# Altium PCB 全兼容主控.PCBDOC (part 3 of 9) (continued)
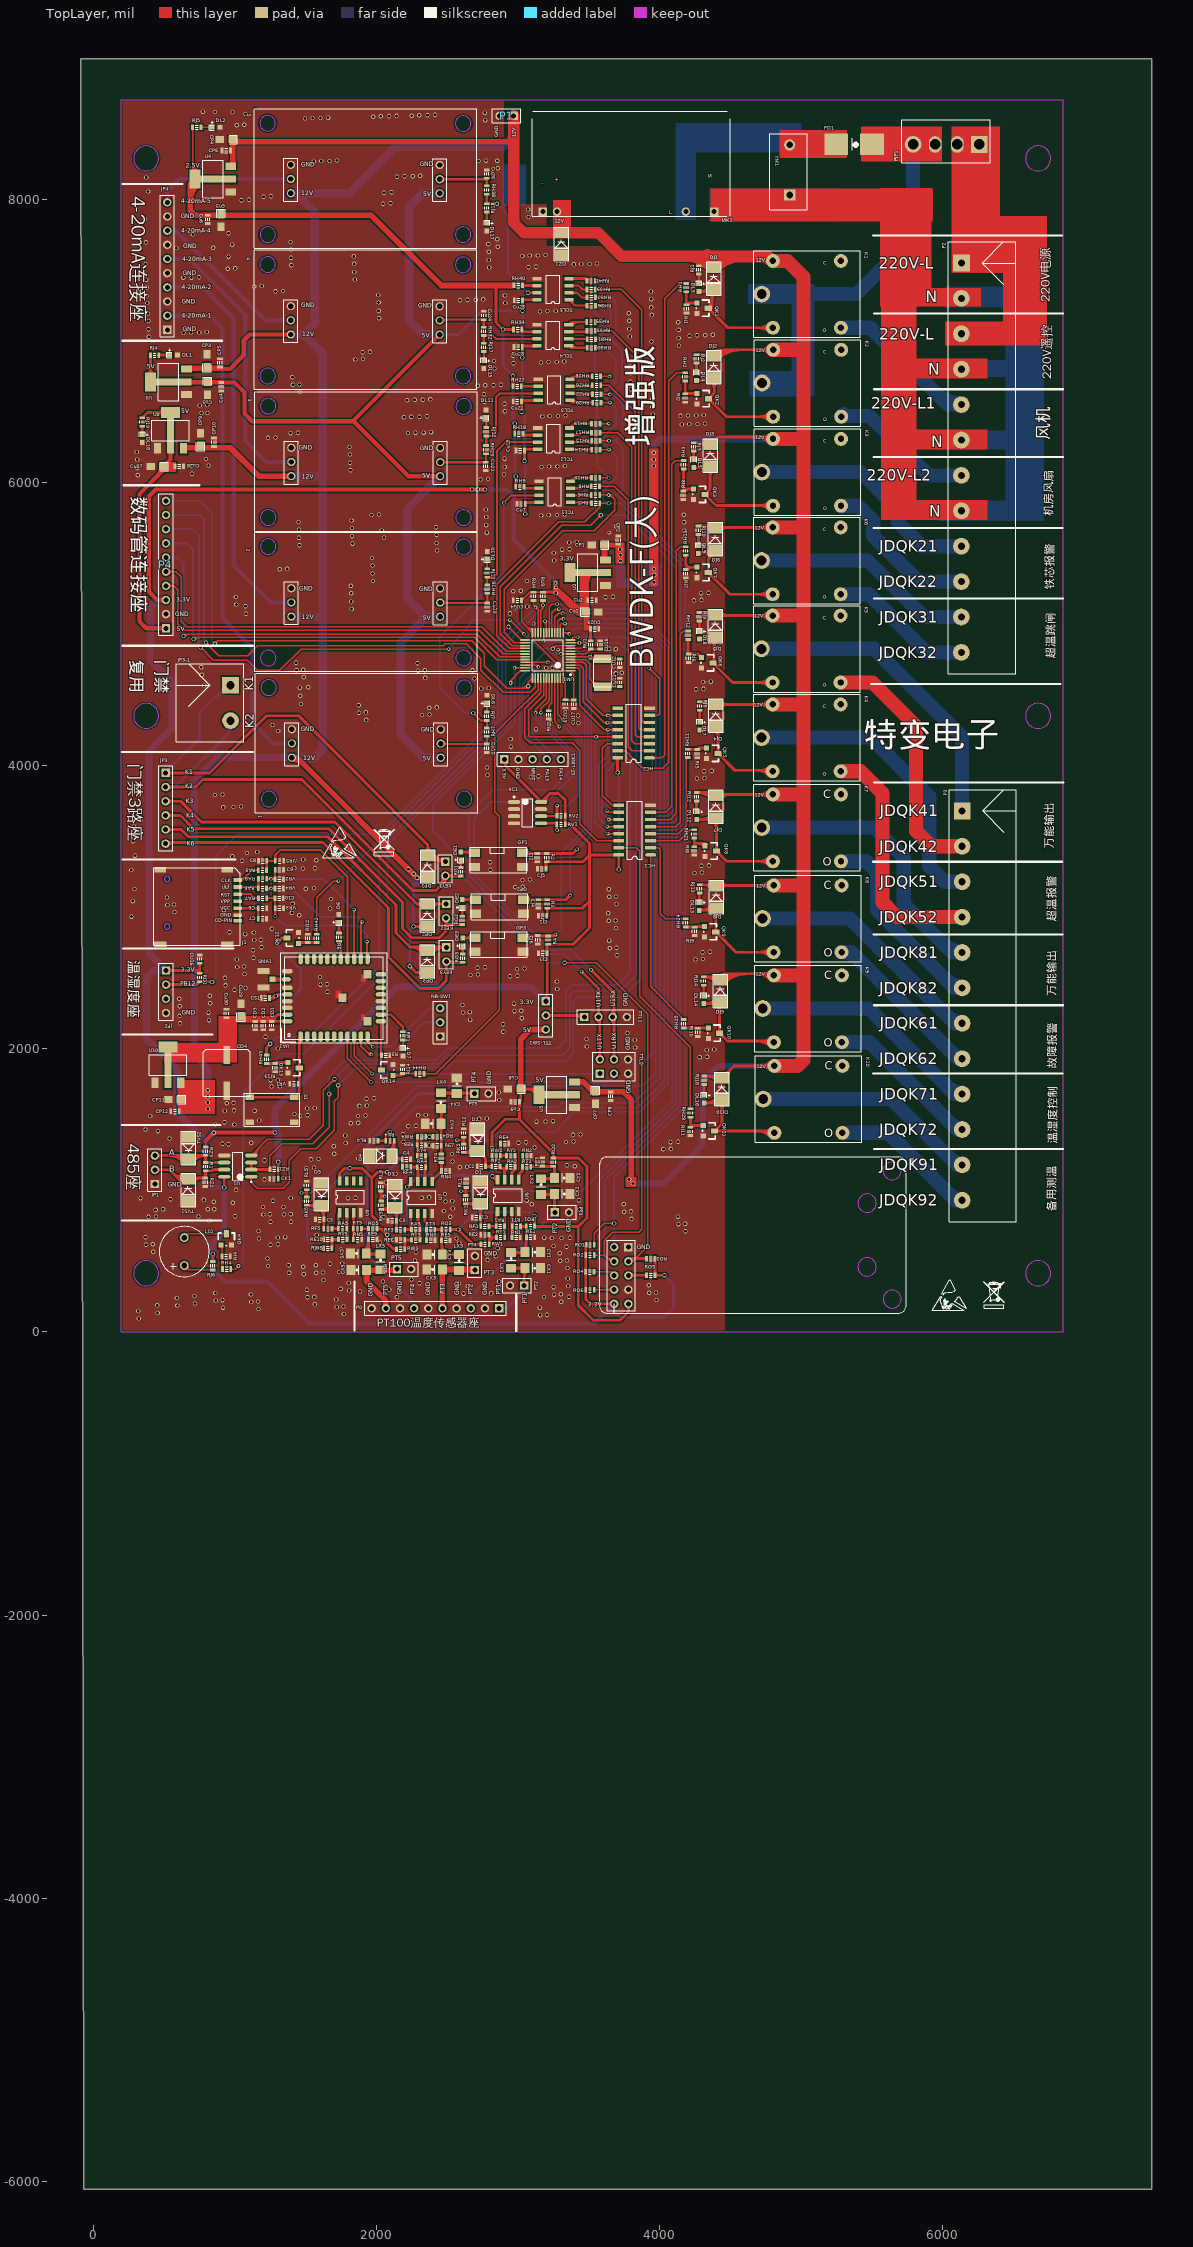
[diagram p0: TopLayer view]
## Nets (pads, with @x,y where several pads share a name; then routed paths per layer and width w, separated by ;. In a path a pad name is that pad's centre, name@x,y a point inside that pad or via, vN(x,y) a via of type N, cw(c..) or ccw(c..) an arc to the next point about the centre after c; other vN are vias at no path point) (continued)
  other v2: 3283.49,4818.15 3110.63,5001.09 3643.8,5644.48 3691.44,5687.86
IRQ: UA1.6
JDQK21: K3.1 P2.9 | length 1679.5
  BottomLayer w100: K3.1@4722.75,6072.18 5419.66,6072.18 5681.53,5810.31 5681.53,5718.62 5851.43,5548.71 P2.9@6131.71,5548.71
JDQK22: K3.3 P2.10 | length 1134
  BottomLayer w100: K3.3@5281.8,5834.05 5401.06,5834.05 5508.93,5726.18 5508.93,5619.73 5829.95,5298.71 P2.10@6131.71,5298.71
JDQK31: K6.1 P2.11 | length 1576.5
  BottomLayer w100: K6.1@4720.39,5447.51 5469,5447.51 5867.8,5048.71 P2.11@6131.71,5048.71
JDQK32: K6.3 P2.12 | length 1022.4
  BottomLayer w100: K6.3@5279.44,5209.39 5478.8,5209.39 5889.47,4798.71 P2.12@6131.71,4798.71
JDQK41: K5.1 P3.1 | length 2198.4
  BottomLayer w100: K5.1@4719.39,4824.1 5515.37,4824.1 6136.85,4202.61 P3.1@6136.85,3679.14
JDQK42: K5.3 P3.2 | length 1771.8
  TopLayer w100: K5.3@5278.45,4585.97 5503.73,4585.97 5810.87,4278.84 5810.87,3537.59 5919.32,3429.14 P3.2@6136.85,3429.14
JDQK51: K4.1 P3.3 | length 2128.9
  BottomLayer w100: K4.1@4719.78,4197.08 5489.48,4197.08 5904.38,3782.18 5904.38,3286.84 6012.08,3179.14 P3.3@6136.85,3179.14
JDQK52: K4.3 P3.4 | length 1723.7
  TopLayer w100: K4.3@5290.93,3958.96 5418.46,3958.96 5573.43,3803.98 5573.43,3033.78 5678.08,2929.14 P3.4@6136.85,2929.14
JDQK61: K8.1 P3.7 | length 2070.4
  BottomLayer w100: K8.1@4726.79,2919.19 5343.66,2919.19 6083.72,2179.14 P3.7@6136.85,2179.14 ; 6030.68,2232.17 ccw(c6136.85,2338.34) P3.7@6136.85,2188.19 ; 6030.68,2232.17 ccw(c6136.85,2338.34) P3.7@6136.85,2188.19 ; 6030.68,2232.17 ccw(c6136.85,2338.34) P3.7@6136.85,2188.19
JDQK62: K8.3 P3.8 | length 2115.2
  BottomLayer w100: K8.3@5285.84,2681.06 5355.26,2681.06 6107.18,1929.14 P3.8@6136.85,1929.14 ; K8.3@5285.74,2681.84 cw(c5301.79,2558.19) 5389.96,2646.36 ; K8.3@5285.74,2681.84 cw(c5301.79,2558.19) 5389.96,2646.36 ; K8.3@5285.74,2681.84 cw(c5301.79,2558.19) 5389.96,2646.36 ; K8.3@5285.84,2681.85 cw(c5285.84,2516.17) 5403,2633.32 ; K8.3@5285.84,2681.85 cw(c5285.84,2516.17) 5403,2633.32 ; K8.3@5285.84,2681.85 cw(c5285.84,2516.17) 5403,2633.32 ; 6070.75,1965.58 ccw(c6136.85,2031.68) P3.8@6136.85,1938.19 ; 6070.75,1965.58 ccw(c6136.85,2031.68) P3.8@6136.85,1938.19 ; 6070.75,1965.58 ccw(c6136.85,2031.68) P3.8@6136.85,1938.19
JDQK71: K9.1 P3.9 | length 2021.7
  BottomLayer w100: K9.1@4728.43,2283.65 5477.6,2283.65 6082.11,1679.14 P3.9@6136.85,1679.14 ; 6027.94,1733.31 ccw(c6136.85,1842.22) P3.9@6136.85,1688.19 ; 6027.94,1733.31 ccw(c6136.85,1842.22) P3.9@6136.85,1688.19 ; 6027.94,1733.31 ccw(c6136.85,1842.22) P3.9@6136.85,1688.19
JDQK72: K9.3 P3.10 | length 1364.8
  BottomLayer w100: K9.3@5287.49,2045.52 5483.8,2045.52 6100.18,1429.14 P3.10@6136.85,1429.14 ; 6058.8,1470.52 ccw(c6136.85,1548.58) P3.10@6136.85,1438.19 ; 6058.8,1470.52 ccw(c6136.85,1548.58) P3.10@6136.85,1438.19 ; 6058.8,1470.52 ccw(c6136.85,1548.58) P3.10@6136.85,1438.19
JDQK81: K7.1 P3.5 | length 2431.3
  BottomLayer w100: K7.1@4721.87,3561.31 5514.18,3561.31 5724.68,3350.82 5724.68,3020.01 6065.55,2679.14 P3.5@6136.85,2679.14 ; 5999.67,2745.02 ccw(c6136.85,2882.2) P3.5@6136.85,2688.19 ; 5999.67,2745.02 ccw(c6136.85,2882.2) P3.5@6136.85,2688.19 ; 5999.67,2745.02 ccw(c6136.85,2882.2) P3.5@6136.85,2688.19
JDQK82: K7.3 P3.6 | length 1748.8
  BottomLayer w100: K7.3@5280.92,3323.19 5457.45,3323.19 5535.9,3244.74 5535.9,2975.06 6081.82,2429.14 P3.6@6136.85,2429.14 ; 6027.45,2483.51 ccw(c6136.85,2592.91) P3.6@6136.85,2438.19 ; 6027.45,2483.51 ccw(c6136.85,2592.91) P3.6@6136.85,2438.19 ; 6027.45,2483.51 ccw(c6136.85,2592.91) P3.6@6136.85,2438.19
JDQK91: K10.1 P3.11 | length 1856.8
  BottomLayer w100: K10.1@4732.12,1643.8 5635.62,1643.8 6100.28,1179.14 P3.11@6136.85,1179.14 ; 6058.96,1220.46 ccw(c6136.85,1298.35) P3.11@6136.85,1188.19 ; 6058.96,1220.46 ccw(c6136.85,1298.35) P3.11@6136.85,1188.19 ; 6058.96,1220.46 ccw(c6136.85,1298.35) P3.11@6136.85,1188.19
JDQK92: K10.3 P3.12 | length 1363.4
  BottomLayer w100: K10.3@5291.17,1405.67 5613.05,1405.67 6089.59,929.14 P3.12@6136.85,929.14 ; 6040.71,978.02 ccw(c6136.85,1074.16) P3.12@6136.85,938.19 ; 6040.71,978.02 ccw(c6136.85,1074.16) P3.12@6136.85,938.19 ; 6040.71,978.02 ccw(c6136.85,1074.16) P3.12@6136.85,938.19
K1: DP1.2 JP3-1.1 JP3.1 KEY1.1 | length 6209
  TopLayer w20: JP3.1@511.3,3947.62 820.95,3947.62 1224.86,4351.53 1451.3,4351.53 2363.2,3439.62 DP1.2@2363.2,3364.38 ; DP1.2@2363.2,3333.02 KEY1.1@2474.88,3333.02 ; KEY1.1@2486.68,3321.23 KEY1.1@2474.88,3333.02 ; JP3.1@525.11,3933.81 cw(c558.44,3900.48) 558.44,3947.62 ; JP3.1@525.11,3933.81 cw(c558.44,3900.48) 558.44,3947.62 ; JP3.1@525.11,3933.81 cw(c558.44,3900.48) 558.44,3947.62 ; JP3.1@525.11,3961.43 ccw(c558.44,3994.76) 558.44,3947.62 ; JP3.1@525.11,3961.43 ccw(c558.44,3994.76) 558.44,3947.62 ; JP3.1@525.11,3961.43 ccw(c558.44,3994.76) 558.44,3947.62 ; DP1.2@2342.44,3385.15 ccw(c2292.3,3435.29) 2363.2,3435.29 ; DP1.2@2342.44,3385.15 ccw(c2292.3,3435.29) 2363.2,3435.29 ; DP1.2@2342.44,3385.15 ccw(c2292.3,3435.29) 2363.2,3435.29 ; 2363.2,3435.29 ccw(c2434.11,3435.29) DP1.2@2383.97,3385.15 ; 2363.2,3435.29 ccw(c2434.11,3435.29) DP1.2@2383.97,3385.15 ; 2363.2,3435.29 ccw(c2434.11,3435.29) DP1.2@2383.97,3385.15 ; DP1.2@2363.69,3359.33 ccw(c2407.81,3383.16) DP1.2@2407.81,3333.02 ; DP1.2@2363.69,3359.33 ccw(c2407.81,3383.16) DP1.2@2407.81,3333.02 ; DP1.2@2363.69,3359.33 ccw(c2407.81,3383.16) DP1.2@2407.81,3333.02 ; DP1.2@2381.29,3368.84 ccw(c2441.35,3401.27) 2441.35,3333.02 ; DP1.2@2381.29,3368.84 ccw(c2441.35,3401.27) 2441.35,3333.02 ; DP1.2@2381.29,3368.84 ccw(c2441.35,3401.27) 2441.35,3333.02 ; DP1.2@2398.89,3378.34 ccw(c2474.88,3419.39) KEY1.1@2474.88,3333.02 ; DP1.2@2398.89,3378.34 ccw(c2474.88,3419.39) KEY1.1@2474.88,3333.02 ; DP1.2@2398.89,3378.34 ccw(c2474.88,3419.39) KEY1.1@2474.88,3333.02 ; DP1.2@2411.06,3333.02 cw(c2411.06,3245.61) KEY1.1@2472.87,3307.42 ; DP1.2@2411.06,3333.02 cw(c2411.06,3245.61) KEY1.1@2472.87,3307.42 ; DP1.2@2411.06,3333.02 cw(c2411.06,3245.61) KEY1.1@2472.87,3307.42 ; KEY1.1@2459.35,3333.02 cw(c2459.35,3293.9) KEY1.1@2487.01,3321.56 ; KEY1.1@2459.35,3333.02 cw(c2459.35,3293.9) KEY1.1@2487.01,3321.56 ; KEY1.1@2459.35,3333.02 cw(c2459.35,3293.9) KEY1.1@2487.01,3321.56
  BottomLayer w20: JP3.1@511.3,3947.62 511.3,3954.04 749.84,4192.58 749.84,4370.47 966.74,4587.38 JP3-1.1@966.74,4588.94 ; JP3.1@511.3,3967.15 ccw(c511.3,3998.78) JP3.1@533.67,3976.41 ; JP3.1@511.3,3967.15 ccw(c511.3,3998.78) JP3.1@533.67,3976.41 ; JP3.1@511.3,3967.15 ccw(c511.3,3998.78) JP3.1@533.67,3976.41 ; JP3.1@530.82,3947.62 cw(c593.47,3947.62) 549.17,3991.92 ; JP3.1@530.82,3947.62 cw(c593.47,3947.62) 549.17,3991.92 ; JP3.1@530.82,3947.62 cw(c593.47,3947.62) 549.17,3991.92 ; 846.16,4466.8 cw(c969.86,4343.1) JP3-1.1@969.86,4518.04 ; 846.16,4466.8 cw(c969.86,4343.1) JP3-1.1@969.86,4518.04 ; 846.16,4466.8 cw(c969.86,4343.1) JP3-1.1@969.86,4518.04 ; 880.3,4500.94 cw(c969.86,4411.38) JP3-1.1@969.86,4538.04 ; 880.3,4500.94 cw(c969.86,4411.38) JP3-1.1@969.86,4538.04 ; 880.3,4500.94 cw(c969.86,4411.38) JP3-1.1@969.86,4538.04 ; 902.67,4523.31 ccw(c858.89,4567.09) JP3-1.1@920.81,4567.09 ; 902.67,4523.31 ccw(c858.89,4567.09) JP3-1.1@920.81,4567.09 ; 902.67,4523.31 ccw(c858.89,4567.09) JP3-1.1@920.81,4567.09 ; JP3-1.1@914.45,4535.08 cw(c969.86,4479.67) JP3-1.1@969.86,4558.04 ; JP3-1.1@914.45,4535.08 cw(c969.86,4479.67) JP3-1.1@969.86,4558.04 ; JP3-1.1@914.45,4535.08 cw(c969.86,4479.67) JP3-1.1@969.86,4558.04
K2: JP3-1.2 JP3.2 KEY1.2 RG1.1 | length 4750.2
  TopLayer w20: JP3.2@511.3,3847.62 721.85,3847.62 776.44,3902.21 1472.51,3902.21 2197.02,3177.7 2256.92,3117.8 2420.74,3117.8 2488.51,3185.57 2488.51,3219.4 KEY1.2@2486.68,3221.23 ; KEY1.2@2487.52,3220.39 RG1.1@2596.26,3220.39 ; JP3.2@525.11,3833.81 cw(c558.44,3800.48) 558.44,3847.62 ; JP3.2@525.11,3833.81 cw(c558.44,3800.48) 558.44,3847.62 ; JP3.2@525.11,3833.81 cw(c558.44,3800.48) 558.44,3847.62 ; JP3.2@525.11,3861.43 ccw(c558.44,3894.76) 558.44,3847.62 ; JP3.2@525.11,3861.43 ccw(c558.44,3894.76) 558.44,3847.62 ; JP3.2@525.11,3861.43 ccw(c558.44,3894.76) 558.44,3847.62 ; 2439.49,3136.55 ccw(c2370.25,3205.79) KEY1.2@2467.32,3218.66 ; 2439.49,3136.55 ccw(c2370.25,3205.79) KEY1.2@2467.32,3218.66 ; 2439.49,3136.55 ccw(c2370.25,3205.79) KEY1.2@2467.32,3218.66 ; 2468.13,3165.19 ccw(c2420.83,3212.49) KEY1.2@2487.14,3221.29 ; 2468.13,3165.19 ccw(c2420.83,3212.49) KEY1.2@2487.14,3221.29 ; 2468.13,3165.19 ccw(c2420.83,3212.49) KEY1.2@2487.14,3221.29 ; KEY1.2@2477.44,3204.02 cw(c2467.52,3185.52) 2488.51,3185.52 ; KEY1.2@2477.44,3204.02 cw(c2467.52,3185.52) 2488.51,3185.52 ; KEY1.2@2477.44,3204.02 cw(c2467.52,3185.52) 2488.51,3185.52 ; 2488.51,3185.52 cw(c2513.84,3185.52) KEY1.2@2498.5,3205.69 ; 2488.51,3185.52 cw(c2513.84,3185.52) KEY1.2@2498.5,3205.69 ; 2488.51,3185.52 cw(c2513.84,3185.52) KEY1.2@2498.5,3205.69 ; KEY1.2@2500.48,3207.42 cw(c2531.79,3176.11) 2531.79,3220.39 ; KEY1.2@2500.48,3207.42 cw(c2531.79,3176.11) 2531.79,3220.39 ; KEY1.2@2500.48,3207.42 cw(c2531.79,3176.11) 2531.79,3220.39 ; KEY1.2@2500.48,3235.03 ccw(c2535.85,3270.4) 2535.85,3220.39 ; KEY1.2@2500.48,3235.03 ccw(c2535.85,3270.4) 2535.85,3220.39 ; KEY1.2@2500.48,3235.03 ccw(c2535.85,3270.4) 2535.85,3220.39
  BottomLayer w20: JP3.2@511.3,3847.62 574.97,3847.62 962.06,4234.71 JP3-1.2@962.06,4323.66 ; JP3.2@525.11,3833.81 cw(c558.44,3800.48) 558.44,3847.62 ; JP3.2@525.11,3833.81 cw(c558.44,3800.48) 558.44,3847.62 ; JP3.2@525.11,3833.81 cw(c558.44,3800.48) 558.44,3847.62 ; JP3.2@525.11,3861.43 ccw(c558.44,3894.76) 558.44,3847.62 ; JP3.2@525.11,3861.43 ccw(c558.44,3894.76) 558.44,3847.62 ; JP3.2@525.11,3861.43 ccw(c558.44,3894.76) 558.44,3847.62 ; JP3-1.2@940.34,4277.92 cw(c907.51,4234.35) 962.06,4234.35 ; JP3-1.2@940.34,4277.92 cw(c907.51,4234.35) 962.06,4234.35 ; JP3-1.2@940.34,4277.92 cw(c907.51,4234.35) 962.06,4234.35 ; 962.06,4234.35 cw(c1001.64,4234.35) JP3-1.2@987.45,4271.3 ; 962.06,4234.35 cw(c1001.64,4234.35) JP3-1.2@987.45,4271.3 ; 962.06,4234.35 cw(c1001.64,4234.35) JP3-1.2@987.45,4271.3
K3: DP2.2 JP3.3 KEY2.1 | length 3351.1
  TopLayer w20: JP3.3@511.3,3747.62 618.13,3747.62 765.88,3599.87 1708.42,3599.87 2287.5,3020.79 ; KEY2.1@2492.23,3021.54 2362.93,3021.54 DP2.2@2362.18,3020.79 2287.5,3020.79 ; JP3.3@525.11,3733.81 cw(c558.44,3700.48) 558.44,3747.62 ; JP3.3@525.11,3733.81 cw(c558.44,3700.48) 558.44,3747.62 ; JP3.3@525.11,3733.81 cw(c558.44,3700.48) 558.44,3747.62 ; JP3.3@525.11,3761.43 ccw(c558.44,3794.76) 558.44,3747.62 ; JP3.3@525.11,3761.43 ccw(c558.44,3794.76) 558.44,3747.62 ; JP3.3@525.11,3761.43 ccw(c558.44,3794.76) 558.44,3747.62 ; 2287.5,3020.79 cw(c2287.5,2963.91) DP2.2@2330.26,3001.42 ; 2287.5,3020.79 ccw(c2287.5,3077.67) DP2.2@2330.26,3040.16 ; 2287.5,3020.79 cw(c2287.5,2963.91) DP2.2@2330.26,3001.42 ; 2287.5,3020.79 ccw(c2287.5,3077.67) DP2.2@2330.26,3040.16 ; 2287.5,3020.79 cw(c2287.5,2963.91) DP2.2@2330.26,3001.42 ; 2287.5,3020.79 ccw(c2287.5,3077.67) DP2.2@2330.26,3040.16 ; DP2.2@2392.79,3000.02 cw(c2444.74,2948.08) 2444.74,3021.54 ; DP2.2@2392.79,3000.02 cw(c2444.74,2948.08) 2444.74,3021.54 ; DP2.2@2392.79,3000.02 cw(c2444.74,2948.08) 2444.74,3021.54 ; DP2.2@2392.79,3041.56 ccw(c2441.13,3089.89) 2441.13,3021.54 ; DP2.2@2392.79,3041.56 ccw(c2441.13,3089.89) 2441.13,3021.54 ; DP2.2@2392.79,3041.56 ccw(c2441.13,3089.89) 2441.13,3021.54 ; 2445.08,3021.54 cw(c2445.08,2974.39) KEY2.1@2478.42,3007.73 ; 2445.08,3021.54 ccw(c2445.08,3068.68) KEY2.1@2478.42,3035.35 ; 2445.08,3021.54 cw(c2445.08,2974.39) KEY2.1@2478.42,3007.73 ; 2445.08,3021.54 ccw(c2445.08,3068.68) KEY2.1@2478.42,3035.35 ; 2445.08,3021.54 cw(c2445.08,2974.39) KEY2.1@2478.42,3007.73 ; 2445.08,3021.54 ccw(c2445.08,3068.68) KEY2.1@2478.42,3035.35
K4: JP3.4 KEY2.2 RG2.1 | length 3118.1
  TopLayer w20: JP3.4@511.3,3647.62 615.43,3647.62 709.36,3553.7 1666.2,3553.7 2171.32,3048.59 2184.69,3035.22 2184.69,2847.49 2248.73,2783.45 2445.32,2783.45 2492.23,2830.36 KEY2.2@2492.23,2921.54 ; 2492.97,2874.3 2495.12,2876.45 RG2.1@2606.44,2876.45 ; JP3.4@525.11,3633.81 cw(c558.44,3600.48) 558.44,3647.62 ; JP3.4@525.11,3633.81 cw(c558.44,3600.48) 558.44,3647.62 ; JP3.4@525.11,3633.81 cw(c558.44,3600.48) 558.44,3647.62 ; JP3.4@525.11,3661.43 ccw(c558.44,3694.76) 558.44,3647.62 ; JP3.4@525.11,3661.43 ccw(c558.44,3694.76) 558.44,3647.62 ; JP3.4@525.11,3661.43 ccw(c558.44,3694.76) 558.44,3647.62 ; KEY2.2@2478.42,2907.73 cw(c2445.08,2874.39) 2492.23,2874.39 ; KEY2.2@2478.42,2907.73 cw(c2445.08,2874.39) 2492.23,2874.39 ; KEY2.2@2478.42,2907.73 cw(c2445.08,2874.39) 2492.23,2874.39 ; 2492.23,2874.39 cw(c2539.37,2874.39) KEY2.2@2506.03,2907.73 ; 2492.23,2874.39 cw(c2539.37,2874.39) KEY2.2@2506.03,2907.73 ; 2492.23,2874.39 cw(c2539.37,2874.39) KEY2.2@2506.03,2907.73
K5: DP3.2 JP3.5 KEY3.1 | length 3979.7
  TopLayer w20: JP3.5@511.3,3547.62 621.6,3547.62 672.39,3496.84 1656.72,3496.84 2137.77,3015.78 2137.77,2816.22 2236.64,2717.35 2492.25,2717.35 KEY3.1@2493.87,2715.72 ; JP3.5@525.11,3533.81 cw(c558.44,3500.48) 558.44,3547.62 ; JP3.5@525.11,3533.81 cw(c558.44,3500.48) 558.44,3547.62 ; JP3.5@525.11,3533.81 cw(c558.44,3500.48) 558.44,3547.62 ; JP3.5@525.11,3561.43 ccw(c558.44,3594.76) 558.44,3547.62 ; JP3.5@525.11,3561.43 ccw(c558.44,3594.76) 558.44,3547.62 ; JP3.5@525.11,3561.43 ccw(c558.44,3594.76) 558.44,3547.62 ; 2236.65,2717.35 cw(c2236.65,2592.64) DP3.2@2329.91,2675.43 ; 2236.65,2717.35 cw(c2236.65,2592.64) DP3.2@2329.91,2675.43 ; 2236.65,2717.35 cw(c2236.65,2592.64) DP3.2@2329.91,2675.43 ; 2281.15,2717.35 cw(c2281.15,2632.14) DP3.2@2344.86,2688.71 ; 2281.15,2717.35 cw(c2281.15,2632.14) DP3.2@2344.86,2688.71 ; 2281.15,2717.35 cw(c2281.15,2632.14) DP3.2@2344.86,2688.71 ; DP3.2@2378.35,2688.48 cw(c2445.63,2624.51) 2445.63,2717.35 ; DP3.2@2378.35,2688.48 cw(c2445.63,2624.51) 2445.63,2717.35 ; DP3.2@2378.35,2688.48 cw(c2445.63,2624.51) 2445.63,2717.35 ; DP3.2@2392.84,2674.7 cw(c2492.24,2580.19) KEY3.1@2492.24,2717.35 ; DP3.2@2392.84,2674.7 cw(c2492.24,2580.19) KEY3.1@2492.24,2717.35 ; DP3.2@2392.84,2674.7 cw(c2492.24,2580.19) KEY3.1@2492.24,2717.35 ; 2442.81,2717.35 cw(c2442.81,2664.66) KEY3.1@2480.07,2701.91 ; 2442.81,2717.35 cw(c2442.81,2664.66) KEY3.1@2480.07,2701.91 ; 2442.81,2717.35 cw(c2442.81,2664.66) KEY3.1@2480.07,2701.91 ; 2450.65,2717.35 ccw(c2450.65,2758.94) KEY3.1@2480.07,2729.53 ; 2450.65,2717.35 ccw(c2450.65,2758.94) KEY3.1@2480.07,2729.53 ; 2450.65,2717.35 ccw(c2450.65,2758.94) KEY3.1@2480.07,2729.53
K6: JP3.6 KEY3.2 RG3.1 | length 3513.7
  TopLayer w20: JP3.6@511.3,3447.62 519.56,3455.88 1623.21,3455.88 2085.65,2993.45 2085.65,2647.18 2306.81,2426.01 2439.36,2426.01 2493.87,2480.53 KEY3.2@2493.87,2615.72 2499.85,2609.74 RG3.1@2610.01,2609.74 ; JP3.6@525.11,3433.81 cw(c578.38,3380.53) 578.38,3455.88 ; JP3.6@525.11,3433.81 cw(c578.38,3380.53) 578.38,3455.88 ; JP3.6@525.11,3433.81 cw(c578.38,3380.53) 578.38,3455.88 ; KEY3.2@2480.07,2601.91 cw(c2446.73,2568.58) 2493.87,2568.58 ; KEY3.2@2480.07,2601.91 cw(c2446.73,2568.58) 2493.87,2568.58 ; KEY3.2@2480.07,2601.91 cw(c2446.73,2568.58) 2493.87,2568.58 ; 2493.87,2568.58 cw(c2541.02,2568.58) KEY3.2@2507.68,2601.91 ; 2493.87,2568.58 cw(c2541.02,2568.58) KEY3.2@2507.68,2601.91 ; 2493.87,2568.58 cw(c2541.02,2568.58) KEY3.2@2507.68,2601.91 ; KEY3.2@2507.68,2601.91 cw(c2526.58,2583.01) 2526.58,2609.74 ; KEY3.2@2507.68,2601.91 cw(c2526.58,2583.01) 2526.58,2609.74 ; KEY3.2@2507.68,2601.91 cw(c2526.58,2583.01) 2526.58,2609.74 ; KEY3.2@2507.68,2629.53 ccw(c2555.45,2677.3) 2555.45,2609.74 ; KEY3.2@2507.68,2629.53 ccw(c2555.45,2677.3) 2555.45,2609.74 ; KEY3.2@2507.68,2629.53 ccw(c2555.45,2677.3) 2555.45,2609.74
L: FD1.1 K1.1 K2.1 PJP1.3 PJP1.4 | length 2076.6
  BottomLayer w100: K1.1@4721.8,7329.63 5390.21,7329.63 5790.25,7729.67 PJP1.4@5790.25,8386.4 PJP1.3@5946.16,8386.4 ; K2.1@4723.66,6701.62 K2.1@4744.75,6680.54
LIN: FD1.2 MK1.1 YM1.2 | length 447.1
  BottomLayer w100: MK1.1@4185.63,7911.88 4185.63,8359.02
LOCK: HC1.12 HC2.12 UM1.2 | length 2063
  TopLayer w10: UM1.2@3371.14,4689.3 3423.47,4689.3 3437.22,4675.55 3437.22,4426.92 3610.66,4253.48 HC2.12@3703.94,4253.48 ; v2(3628.89,3568.53) HC1.12@3711.74,3568.53 ; 3616.93,4253.48 cw(c3616.93,4235.38) v2@3629.73,4248.18 ; 3616.93,4253.48 ccw(c3616.93,4271.59) v2@3629.73,4258.79 ; 3616.93,4253.48 cw(c3616.93,4235.38) v2@3629.73,4248.18 ; 3616.93,4253.48 ccw(c3616.93,4271.59) v2@3629.73,4258.79 ; 3616.93,4253.48 cw(c3616.93,4235.38) v2@3629.73,4248.18 ; 3616.93,4253.48 ccw(c3616.93,4271.59) v2@3629.73,4258.79 ; v2@3634.19,3563.23 cw(c3646.99,3550.43) 3646.99,3568.53 ; v2@3634.19,3563.23 cw(c3646.99,3550.43) 3646.99,3568.53 ; v2@3634.19,3563.23 cw(c3646.99,3550.43) 3646.99,3568.53 ; v2@3634.19,3573.84 ccw(c3646.99,3586.64) 3646.99,3568.53 ; v2@3634.19,3573.84 ccw(c3646.99,3586.64) 3646.99,3568.53 ; v2@3634.19,3573.84 ccw(c3646.99,3586.64) 3646.99,3568.53 ; v2@3640.34,4248.18 cw(c3653.14,4235.38) 3653.14,4253.48 ; v2@3640.34,4248.18 cw(c3653.14,4235.38) 3653.14,4253.48 ; v2@3640.34,4248.18 cw(c3653.14,4235.38) 3653.14,4253.48 ; v2@3640.34,4258.79 ccw(c3653.14,4271.59) 3653.14,4253.48 ; v2@3640.34,4258.79 ccw(c3653.14,4271.59) 3653.14,4253.48 ; v2@3640.34,4258.79 ccw(c3653.14,4271.59) 3653.14,4253.48 ; 3661.04,4253.48 cw(c3661.04,4236.58) HC2.12@3672.99,4248.53 ; 3661.04,4253.48 ccw(c3661.04,4270.38) HC2.12@3672.99,4258.43 ; 3661.04,4253.48 cw(c3661.04,4236.58) HC2.12@3672.99,4248.53 ; 3661.04,4253.48 ccw(c3661.04,4270.38) HC2.12@3672.99,4258.43 ; 3661.04,4253.48 cw(c3661.04,4236.58) HC2.12@3672.99,4248.53 ; 3661.04,4253.48 ccw(c3661.04,4270.38) HC2.12@3672.99,4258.43 ; 3668.84,3568.53 cw(c3668.84,3551.63) HC1.12@3680.79,3563.58 ; 3668.84,3568.53 ccw(c3668.84,3585.43) HC1.12@3680.79,3573.48 ; 3668.84,3568.53 cw(c3668.84,3551.63) HC1.12@3680.79,3563.58 ; 3668.84,3568.53 ccw(c3668.84,3585.43) HC1.12@3680.79,3573.48 ; 3668.84,3568.53 cw(c3668.84,3551.63) HC1.12@3680.79,3563.58 ; 3668.84,3568.53 ccw(c3668.84,3585.43) HC1.12@3680.79,3573.48
  BottomLayer w10: v2(3628.89,3568.53) 3571.16,3626.26 3571.16,4007.82 3635.03,4071.69 v2(3635.03,4253.48) ; 3616.08,3581.34 cw(c3603.28,3568.53) v2@3621.39,3568.53 ; 3616.08,3581.34 ccw(c3628.89,3594.14) v2@3628.89,3576.03 ; 3616.08,3581.34 cw(c3603.28,3568.53) v2@3621.39,3568.53 ; 3616.08,3581.34 ccw(c3628.89,3594.14) v2@3628.89,3576.03 ; 3616.08,3581.34 cw(c3603.28,3568.53) v2@3621.39,3568.53 ; 3616.08,3581.34 ccw(c3628.89,3594.14) v2@3628.89,3576.03 ; v2@3629.73,4248.18 cw(c3616.93,4235.38) 3635.03,4235.38 ; v2@3629.73,4248.18 cw(c3616.93,4235.38) 3635.03,4235.38 ; v2@3629.73,4248.18 cw(c3616.93,4235.38) 3635.03,4235.38 ; 3635.03,4235.38 cw(c3653.14,4235.38) v2@3640.34,4248.18 ; 3635.03,4235.38 cw(c3653.14,4235.38) v2@3640.34,4248.18 ; 3635.03,4235.38 cw(c3653.14,4235.38) v2@3640.34,4248.18
MISO: UA1.5
MOSI: UA1.4
N: MK1.2 P2.2 P2.4 P2.6 P2.8 YM1.1
NB-ANT: SMA1.2 UA1.32 | length 98.1
  TopLayer w30: SMA1.2@1267.02,2490.34 1268.19,2489.17 UA1.32@1364.68,2489.17
NB-GPIO17: UA1.19
NB-GPIO18: UA1.18
NB-SWCLK: NB-SW1.2 UA1.10 | length 1205.1
  TopLayer w15: UA1.10@1890.27,2085.62 1890.27,2018.68 1948.92,1960.03 v2(1964.18,1960.03) ; UA1.10@1884.43,2058.14 cw(c1870.35,2044.06) 1890.27,2044.06 ; UA1.10@1884.43,2058.14 cw(c1870.35,2044.06) 1890.27,2044.06 ; UA1.10@1884.43,2058.14 cw(c1870.35,2044.06) 1890.27,2044.06 ; 1890.27,2044.06 cw(c1910.18,2044.06) UA1.10@1896.1,2058.14 ; 1890.27,2044.06 cw(c1910.18,2044.06) UA1.10@1896.1,2058.14 ; 1890.27,2044.06 cw(c1910.18,2044.06) UA1.10@1896.1,2058.14 ; 1929.59,1979.35 ccw(c1964.18,2013.94) v2@1964.18,1965.03 ; 1929.59,1979.35 ccw(c1964.18,2013.94) v2@1964.18,1965.03 ; 1929.59,1979.35 ccw(c1964.18,2013.94) v2@1964.18,1965.03
  BottomLayer w15: v2(1964.18,1960.03) 2111.14,1960.03 2337.36,2186.26 NB-SW1.2@2450.73,2186.26 ; 2397.55,2186.26 cw(c2397.55,2133.08) NB-SW1.2@2435.15,2170.68 ; 2397.55,2186.26 ccw(c2397.55,2239.43) NB-SW1.2@2435.15,2201.83 ; 2397.55,2186.26 cw(c2397.55,2133.08) NB-SW1.2@2435.15,2170.68 ; 2397.55,2186.26 ccw(c2397.55,2239.43) NB-SW1.2@2435.15,2201.83 ; 2397.55,2186.26 cw(c2397.55,2133.08) NB-SW1.2@2435.15,2170.68 ; 2397.55,2186.26 ccw(c2397.55,2239.43) NB-SW1.2@2435.15,2201.83
NB-SWDIO: NB-SW1.3 UA1.11 | length 1044.9
  TopLayer w15: UA1.11@1937.51,2085.62 1937.51,2051.42 v2(1975.27,2013.66) ; UA1.11@1945.76,2063.97 ccw(c1995.97,2063.97) 1960.47,2028.47 ; UA1.11@1945.76,2063.97 ccw(c1995.97,2063.97) 1960.47,2028.47 ; UA1.11@1945.76,2063.97 ccw(c1995.97,2063.97) 1960.47,2028.47
  BottomLayer w15: v2(1975.27,2013.66) 2101.47,2013.66 2374.07,2286.26 NB-SW1.3@2450.73,2286.26 ; 2397.55,2286.26 cw(c2397.55,2233.08) NB-SW1.3@2435.15,2270.68 ; 2397.55,2286.26 ccw(c2397.55,2339.43) NB-SW1.3@2435.15,2301.83 ; 2397.55,2286.26 cw(c2397.55,2233.08) NB-SW1.3@2435.15,2270.68 ; 2397.55,2286.26 ccw(c2397.55,2339.43) NB-SW1.3@2435.15,2301.83 ; 2397.55,2286.26 cw(c2397.55,2233.08) NB-SW1.3@2435.15,2270.68 ; 2397.55,2286.26 ccw(c2397.55,2339.43) NB-SW1.3@2435.15,2301.83
Net1_5: 1.5 Cu10.1 RH7.1 | length 626.1
  TopLayer w15: 1.5@2454.27,4154.86 2457.59,4151.53 Cu10.1@2779.25,4151.53 2779.93,4152.21 RH7.1@2779.93,4206.43 ; 1.5@2469.47,4139.65 cw(c2498.14,4110.98) 2498.14,4151.53 ; 1.5@2469.47,4139.65 cw(c2498.14,4110.98) 2498.14,4151.53 ; 1.5@2469.47,4139.65 cw(c2498.14,4110.98) 2498.14,4151.53 ; 1.5@2469.47,4170.06 ccw(c2514.2,4214.79) 2514.2,4151.53 ; 1.5@2469.47,4170.06 ccw(c2514.2,4214.79) 2514.2,4151.53 ; 1.5@2469.47,4170.06 ccw(c2514.2,4214.79) 2514.2,4151.53
Net2_5: 2.5 Cu19.1 RH16.1 | length 645.8
  TopLayer w15: 2.5@2450.21,5150.88 2452.74,5148.34 Cu19.1@2782.56,5148.34 ; RH16.1@2782.59,5216.18 Cu19.1@2782.56,5148.34 ; 2.5@2465.41,5135.67 cw(c2496.01,5105.08) 2496.01,5148.34 ; 2.5@2465.41,5135.67 cw(c2496.01,5105.08) 2496.01,5148.34 ; 2.5@2465.41,5135.67 cw(c2496.01,5105.08) 2496.01,5148.34 ; 2.5@2465.41,5166.08 ccw(c2508.23,5208.89) 2508.23,5148.34 ; 2.5@2465.41,5166.08 ccw(c2508.23,5208.89) 2508.23,5148.34 ; 2.5@2465.41,5166.08 ccw(c2508.23,5208.89) 2508.23,5148.34 ; Cu19.1@2782.56,5148.34 Cu19.1@2782.56,5148.34
Net3_5: 3.5 Cu22.1 RH23.1 | length 627.6
  TopLayer w15: 3.5@2450.21,6142.82 2451.1,6141.93 Cu22.1@2772.96,6141.93 2774.32,6143.28 RH23.1@2774.32,6201.22 ; 3.5@2465.41,6127.62 cw(c2499.96,6093.07) 2499.96,6141.93 ; 3.5@2465.41,6127.62 cw(c2499.96,6093.07) 2499.96,6141.93 ; 3.5@2465.41,6127.62 cw(c2499.96,6093.07) 2499.96,6141.93 ; 3.5@2465.41,6158.02 ccw(c2504.27,6196.88) 2504.27,6141.93 ; 3.5@2465.41,6158.02 ccw(c2504.27,6196.88) 2504.27,6141.93 ; 3.5@2465.41,6158.02 ccw(c2504.27,6196.88) 2504.27,6141.93
Net4_5: 4.5 Cu24.1 RH32.1 | length 694.8
  TopLayer w15: 4.5@2446.55,7143.3 2452.07,7148.81 Cu24.1@2759.2,7148.81 2758.06,7147.67 RH32.1@2758.06,7095.34 ; 4.5@2451.15,7138.7 cw(c2475.56,7114.29) 2475.56,7148.81 ; 4.5@2451.15,7138.7 cw(c2475.56,7114.29) 2475.56,7148.81 ; 4.5@2451.15,7138.7 cw(c2475.56,7114.29) 2475.56,7148.81 ; 4.5@2461.75,7128.09 cw(c2511.77,7078.07) 2511.77,7148.81 ; 4.5@2461.75,7128.09 cw(c2511.77,7078.07) 2511.77,7148.81 ; 4.5@2461.75,7128.09 cw(c2511.77,7078.07) 2511.77,7148.81 ; 4.5@2461.75,7158.5 ccw(c2485.14,7181.88) 2485.14,7148.81 ; 4.5@2461.75,7158.5 ccw(c2485.14,7181.88) 2485.14,7148.81 ; 4.5@2461.75,7158.5 ccw(c2485.14,7181.88) 2485.14,7148.81